# Allegro board LAUNCHXL-CC1312R1.brd (continued)
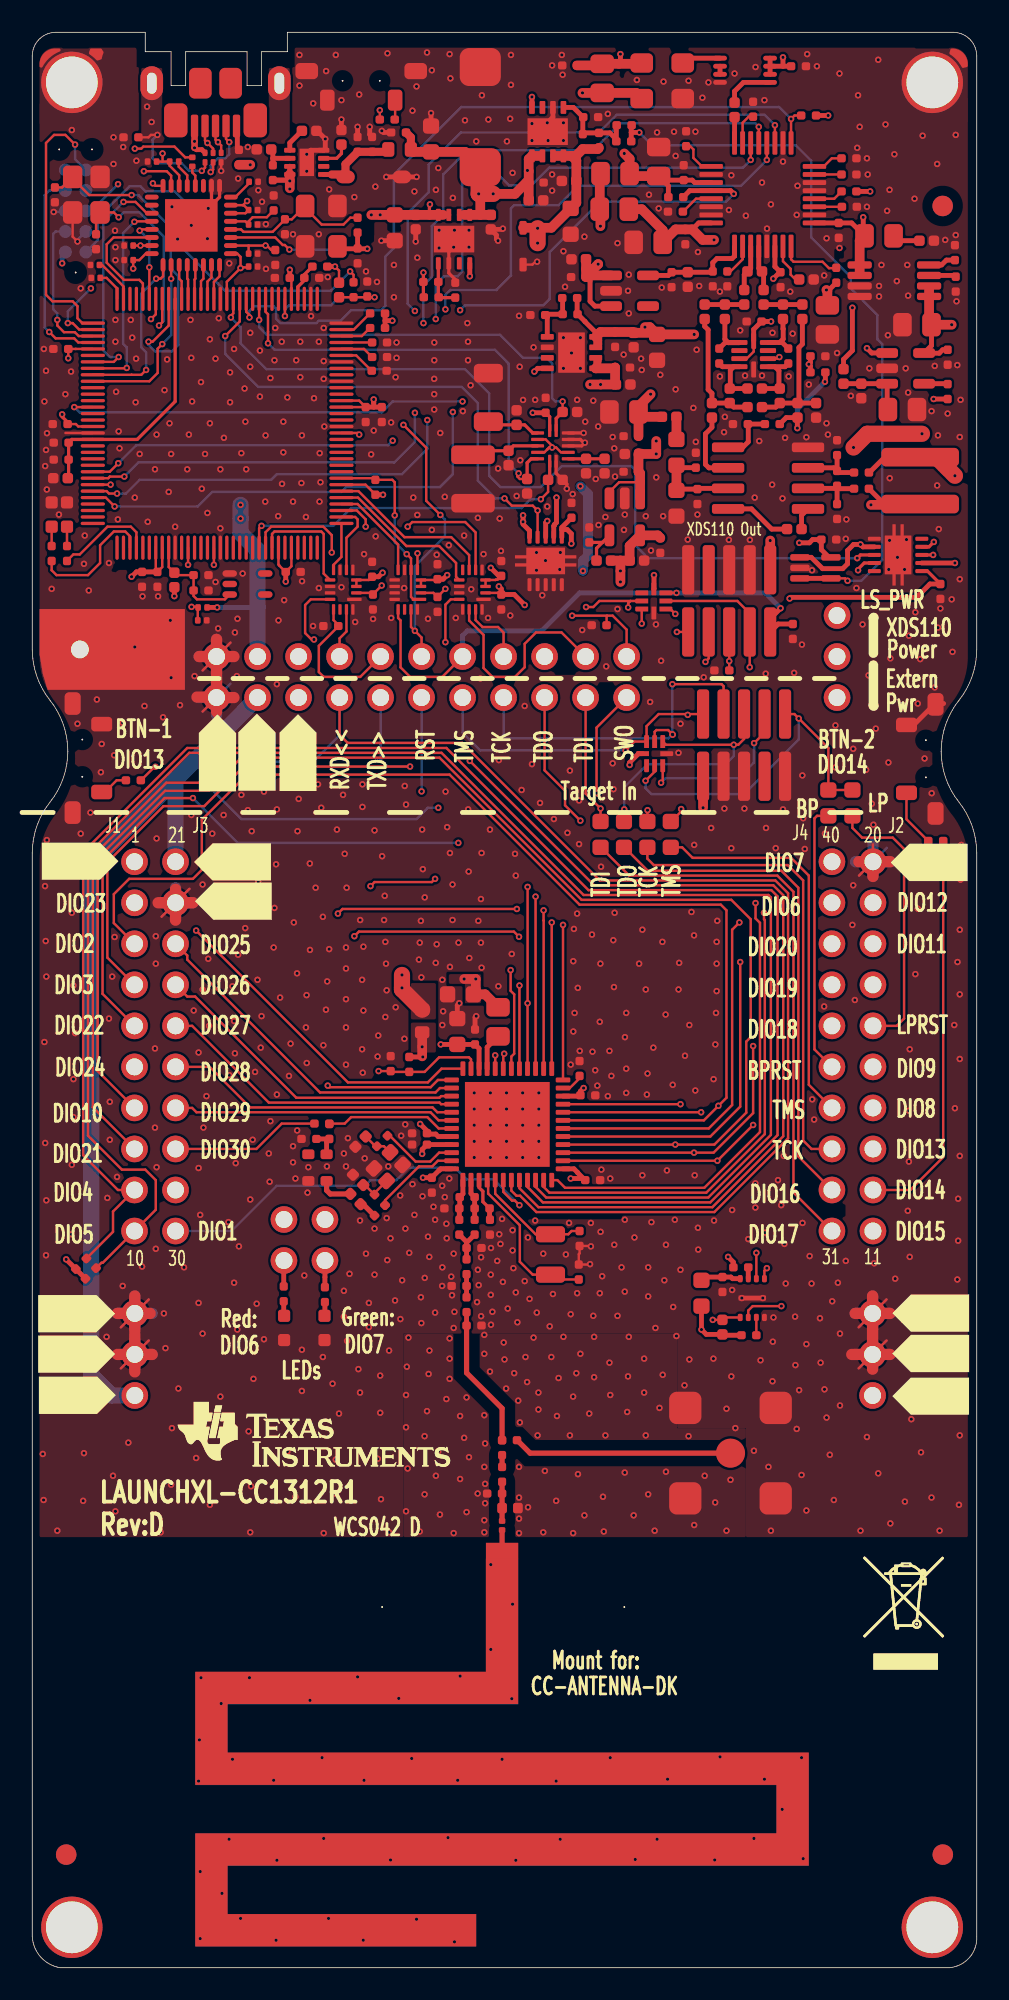
[diagram p0: board, top side]
## Text on the board (continued)
XSECTION_CHART: L1: TOP CONDUCTOR - COPPER + PLATING 0.035 MM | *  DIELECTRIC - FR-4 0.175 MM (TOP PRIORITY) | L2: L2 PLANE - COPPER 0.035 MM | *  DIELECTRIC - FR-4 1.11 MM | L3: L3 PLANE - COPPER 0.035 MM | *  DIELECTRIC - FR-4 0.175 MM | L4: BOTTOM CONDUCTOR - COPPER + PLATING 0.035 MM | DESIGN CROSS SECTION CHART | ___________________________ | TOTAL THICKNESS 1.6 MM
PAGE_OUTLINE: 2018-10-10 | TA,SJ | PM | FABRICATION DRAWING | LAUNCHXL-CC1312R1 | CC1312R LaunchPad | WCS042 D | NONE | 1 OF 1
User.27: FIGURE | FINISHED_SIZE | 0.2 | 0.201 | 1.05 | 1.1 | 3.2 | 0.899 | 1.0 | 1.3x0.6 | DRILL CHART: TOP to BOTTOM | ALL UNITS ARE IN MILLIMETERS | ROTATION | - | 90.000 | PLATED | NON-PLATED | QTY | 1369 | 25 | 75 | 1 | 4 | 6 | 3 | 2 | 1487 | TOTAL HOLES:
